# Allegro board 8880F5-0827_txbegin.brd (continued)
## Placement (name value [footprint] x y rotation side) (continued)
NOREF#1909  -  []  456.08 239.34 0 top
NOREF#1910  -  []  112.41 222.33 0 top
NOREF#1911  -  []  253.33 241.33 90 top
NOREF#1912  -  []  165.8 171.96 0 top
NOREF#1913  -  []  229.51 189.2 0 top
NOREF#1914  -  []  184.89 186.02 90 top
NOREF#1915  -  []  300.11 273.24 90 top
NOREF#1916  -  []  300.01 288.41 90 top
NOREF#1917  -  []  105.58 234.24 90 top
NOREF#1918  -  []  272.55 241.37 0 top
NOREF#1919  -  []  378.33 257.11 90 top
NOREF#1920  -  []  317.57 269.63 90 top
NOREF#1921  -  []  249.6 224.74 90 top
NOREF#1922  -  []  184.47 214 90 top
NOREF#1923  -  []  230.43 183.09 90 top
NOREF#1924  -  []  201.23 227.72 0 top
NOREF#1925  -  []  201.23 200.54 0 top
NOREF#1926  -  []  236.27 289.16 90 top
NOREF#1927  -  []  262.36 296.86 0 top
NOREF#1928  -  []  463.61 222.58 0 top
NOREF#1929  -  []  411.99 178.25 90 top
NOREF#1930  -  []  182.82 162.12 90 top
NOREF#1931  -  []  404.4 273.16 90 top
NOREF#1932  -  []  119.95 222.33 0 top
NOREF#1933  -  []  404.15 257.37 0 top
NOREF#1934  -  []  210.86 214.75 90 top
NOREF#1935  -  []  352.24 242.32 90 top
NOREF#1936  -  []  310.41 248.88 90 top
NOREF#1937  -  []  346.27 135.17 90 top
NOREF#1938  -  []  188.08 291.65 90 top
NOREF#1939  -  []  269.69 135.19 0 top
NOREF#1940  -  []  473.79 191.06 90 top
NOREF#1941  -  []  250.49 163.52 90 top
NOREF#1942  -  []  250.18 242.88 0 top
NOREF#1943  -  []  182.57 199.39 0 top
NOREF#1944  -  []  167.7 192.32 90 top
NOREF#1945  -  []  342.04 164.72 0 top
NOREF#1946  -  []  166.06 243.9 90 top
NOREF#1947  -  []  238.45 257.01 0 top
NOREF#1948  -  []  248.33 247.93 0 top
NOREF#1949  -  []  115.61 211.51 90 top
NOREF#1950  -  []  369.38 241.11 0 top
NOREF#1951  -  []  172.08 289.11 90 top
NOREF#1952  -  []  459.28 192.71 90 top
NOREF#1953  -  []  235.4 289.88 90 top
NOREF#1954  -  []  165.8 226.57 0 top
NOREF#1955  -  []  201.21 292.55 90 top
NOREF#1956  -  []  383.09 241.11 0 top
NOREF#1957  -  []  199.59 145.03 0 top
NOREF#1958  -  []  237.57 269.63 90 top
NOREF#1959  -  []  409.49 163.64 0 top
NOREF#1960  -  []  299.81 213.69 90 top
NOREF#1961  -  []  339.33 265.55 0 top
NOREF#1962  -  []  318.3 223.52 90 top
NOREF#1963  -  []  331.62 265.55 0 top
NOREF#1964  -  []  105.83 190.55 90 top
NOREF#1965  -  []  192.47 257.6 90 top
NOREF#1966  -  []  310.73 253.69 0 top
NOREF#1967  -  []  263.63 163.82 90 top
NOREF#1968  -  []  226.85 271.67 0 top
NOREF#1969  -  []  460.93 210.36 90 top
NOREF#1970  -  []  314.19 145.5 90 top
NOREF#1971  -  []  167.7 151.68 90 top
NOREF#1972  -  []  238.3 163.52 90 top
NOREF#1973  -  []  199.59 171.96 90 top
NOREF#1974  -  []  175.7 135.17 90 top
NOREF#1975  -  []  261.82 290.13 90 top
NOREF#1976  -  []  410.27 257.37 0 top
NOREF#1977  -  []  248.21 132.69 90 top
NOREF#1978  -  []  258.2 246.67 0 top
NOREF#1979  -  []  112.67 178.64 0 top
NOREF#1980  -  []  333.4 265.56 0 top
NOREF#1981  -  []  128.24 171.1 0 top
NOREF#1982  -  []  305.83 264.31 0 top
NOREF#1983  -  []  415.1 163.64 0 top
NOREF#1984  -  []  112.05 246.78 90 top
NOREF#1985  -  []  390.94 224.9 90 top
NOREF#1986  -  []  201.23 186.57 90 top
NOREF#1987  -  []  371.73 273.11 0 top
NOREF#1988  -  []  237.83 197.63 0 top
NOREF#1989  -  []  230.43 248.88 90 top
NOREF#1990  -  []  302.11 252.14 0 top
NOREF#1991  -  []  404.15 225.11 0 top
NOREF#1992  -  []  330.73 265.56 0 top
NOREF#1993  -  []  262.36 165.04 90 top
NOREF#1994  -  []  312.21 131.64 0 top
NOREF#1995  -  []  339.33 265.56 0 top
NOREF#1996  -  []  287.27 286.96 90 top
NOREF#1997  -  []  385.19 232.85 0 top
NOREF#1998  -  []  201.49 174.46 90 top
NOREF#1999  -  []  485.36 292.02 90 top
NOREF#2000  -  []  327.15 286.96 90 top
NOREF#2001  -  []  328.33 187.93 0 top
NOREF#2002  -  []  270.04 280.1 0 top
NOREF#2003  -  []  192.47 202.99 90 top
NOREF#2004  -  []  184.47 145.93 90 top
NOREF#2005  -  []  314.33 228.13 90 top
NOREF#2006  -  []  406.65 239.21 90 top
NOREF#2007  -  []  218.16 177.06 0 top
NOREF#2008  -  []  230.41 193.37 90 top
NOREF#2009  -  []  201.49 151.93 90 top
NOREF#2010  -  []  167.7 247.18 90 top
NOREF#2011  -  []  376.98 224.6 0 top
NOREF#2012  -  []  175.8 147.18 90 top
NOREF#2013  -  []  392.24 196.98 90 top
NOREF#2014  -  []  251.06 163.82 90 top
NOREF#2015  -  []  230.43 183.09 0 top
NOREF#2016  -  []  396.55 225.11 0 top
NOREF#2017  -  []  459.28 183.57 0 top
NOREF#2018  -  []  252.51 265.56 0 top
NOREF#2019  -  []  310.73 253.69 0 top
NOREF#2020  -  []  247.57 264.65 90 top
NOREF#2021  -  []  393.19 222.95 90 top
NOREF#2022  -  []  405.93 272.66 90 top
NOREF#2023  -  []  468.01 179.15 0 top
NOREF#2024  -  []  378.75 240.56 90 top
NOREF#2025  -  []  331.06 223.82 90 top
NOREF#2026  -  []  165.8 158.5 0 top
NOREF#2027  -  []  182.82 243.9 90 top
NOREF#2028  -  []  232.25 211.67 90 top
NOREF#2029  -  []  402.14 146.88 0 top
NOREF#2030  -  []  331.54 252.73 90 top
NOREF#2031  -  []  460.93 191.31 90 top
NOREF#2032  -  []  459.28 192.71 0 top
NOREF#2033  -  []  383.09 289.12 0 top
NOREF#2034  -  []  199.84 162.12 90 top
NOREF#2035  -  []  230.43 248.88 90 top
NOREF#2036  -  []  397.8 146.43 90 top
NOREF#2037  -  []  399.67 131.89 0 top
NOREF#2038  -  []  331.06 225.04 90 top
NOREF#2039  -  []  461.86 187.32 0 top
NOREF#2040  -  []  313.94 286.96 90 top
NOREF#2041  -  []  398.65 241.11 0 top
NOREF#2042  -  []  406.19 188.15 0 top
NOREF#2043  -  []  230.43 249.52 0 top
NOREF#2044  -  []  415.1 163.64 0 top
NOREF#2045  -  []  384.36 131.89 0 top
NOREF#2046  -  []  175.7 150.58 90 top
NOREF#2047  -  []  460.93 166.93 90 top
NOREF#2048  -  []  407.71 217.61 0 top
NOREF#2049  -  []  388.43 146.88 0 top
NOREF#2050  -  []  342.68 164.74 90 top
NOREF#2051  -  []  310.41 243.09 90 top
NOREF#2052  -  []  192.47 264.1 90 top
NOREF#2053  -  []  371.73 289.12 0 top
NOREF#2054  -  []  385.19 249.11 0 top
NOREF#2055  -  []  402.14 146.88 0 top
NOREF#2056  -  []  184.47 233.47 90 top
NOREF#2057  -  []  334.29 264.35 90 top
NOREF#2058  -  []  116.01 222.33 0 top
NOREF#2059  -  []  380.59 239.21 0 top
NOREF#2060  -  []  351.34 185.18 0 top
NOREF#2061  -  []  272.25 189.82 0 top
NOREF#2062  -  []  337.9 186.99 0 top
NOREF#2063  -  []  344.37 128.27 90 top
NOREF#2064  -  []  375.22 163.39 0 top
NOREF#2065  -  []  327.57 205.86 90 top
NOREF#2066  -  []  472.86 210.36 90 top
NOREF#2067  -  []  339.33 264.35 90 top
NOREF#2068  -  []  201.23 247.18 90 top
NOREF#2069  -  []  331.38 224.74 90 top
NOREF#2070  -  []  230.43 186.34 90 top
NOREF#2071  -  []  192.47 164.3 90 top
NOREF#2072  -  []  182.57 171.96 90 top
NOREF#2073  -  []  107.02 179.19 0 top
NOREF#2074  -  []  310.43 247.61 90 top
NOREF#2075  -  []  375.22 180.15 0 top
NOREF#2076  -  []  528.1 257.36 90 top
NOREF#2077  -  []  330.49 223.52 90 top
NOREF#2078  -  []  383.83 194.68 90 top
NOREF#2079  -  []  165.8 212.85 0 top
NOREF#2080  -  []  182.57 158.5 90 top
NOREF#2081  -  []  248.96 224.74 0 top
NOREF#2082  -  []  300.36 237.06 0 top
NOREF#2083  -  []  396.55 257.37 0 top
NOREF#2084  -  []  263.31 164.72 0 top
NOREF#2085  -  []  247.25 265.56 90 top
NOREF#2086  -  []  396.55 225.11 0 top
NOREF#2087  -  []  217.83 234.63 90 top
NOREF#2088  -  []  351.04 184.23 0 top
NOREF#2089  -  []  477.24 195.66 0 top
NOREF#2090  -  []  400.34 194.68 90 top
NOREF#2091  -  []  396.03 146.88 0 top
NOREF#2092  -  []  414.25 154.88 0 top
NOREF#2093  -  []  352.24 189.18 90 top
NOREF#2094  -  []  327.25 265.56 90 top
NOREF#2095  -  []  415.61 179.97 90 top
NOREF#2096  -  []  331.05 265.86 90 top
NOREF#2097  -  []  401.89 180.15 0 top
NOREF#2098  -  []  108.01 195.15 0 top
NOREF#2099  -  []  329.6 223.52 90 top
NOREF#2100  -  []  298.13 214.06 90 top
NOREF#2101  -  []  252.6 288.86 0 top
NOREF#2102  -  []  453.88 214.96 0 top
NOREF#2103  -  []  96.58 195.15 0 top
NOREF#2104  -  []  327.25 205.55 0 top
NOREF#2105  -  []  272.25 185.5 0 top
NOREF#2106  -  []  310.73 247.93 0 top
NOREF#2107  -  []  371.48 265.11 0 top
NOREF#2108  -  []  289.01 272.1 0 top
NOREF#2109  -  []  192.47 250.38 90 top
NOREF#2110  -  []  352.25 244.23 0 top
NOREF#2111  -  []  167.7 214 0 top
NOREF#2112  -  []  268.01 296.86 0 top
NOREF#2113  -  []  343.95 163.52 90 top
NOREF#2114  -  []  511.59 257.36 90 top
NOREF#2115  -  []  165.8 131.57 90 top
NOREF#2116  -  []  254.8 296.86 0 top
NOREF#2117  -  []  253.72 204.65 90 top
NOREF#2118  -  []  108.27 178.64 0 top
NOREF#2119  -  []  420.62 271.47 90 top
NOREF#2120  -  []  310.41 246.34 90 top
NOREF#2121  -  []  346.08 296.86 0 top
NOREF#2122  -  []  107.02 174.04 90 top
NOREF#2123  -  []  330.49 224.74 90 top
NOREF#2124  -  []  112.67 171.02 0 top
NOREF#2125  -  []  310.43 247.61 0 top
NOREF#2126  -  []  392.47 272.56 90 top
NOREF#2127  -  []  127.55 184.33 90 top
NOREF#2128  -  []  331.38 223.52 90 top
NOREF#2129  -  []  223.56 173.86 90 top
NOREF#2130  -  []  390.53 146.88 0 top
NOREF#2131  -  []  226.44 294.64 90 top
NOREF#2132  -  []  167.7 173.11 90 top
NOREF#2133  -  []  419.9 154.88 0 top
NOREF#2134  -  []  184.89 159.1 90 top
NOREF#2135  -  []  230.73 246.66 0 top
NOREF#2136  -  []  334.29 205.56 0 top
NOREF#2137  -  []  101.29 247.16 90 top
NOREF#2138  -  []  309.21 253.37 0 top
NOREF#2139  -  []  247.89 264.35 90 top
NOREF#2140  -  []  397.8 163.19 90 top
NOREF#2141  -  []  250.5 288.86 0 top
NOREF#2142  -  []  418.37 273.42 90 top
NOREF#2143  -  []  306.83 209.63 90 top
NOREF#2144  -  []  166.06 162.12 90 top
NOREF#2145  -  []  230.43 193.37 90 top
NOREF#2146  -  []  272.24 181.05 90 top
NOREF#2147  -  []  351.04 249.18 0 top
NOREF#2148  -  []  221.56 250.49 0 top
NOREF#2149  -  []  321.82 227.13 90 top
NOREF#2150  -  []  320.83 194.63 0 top
NOREF#2151  -  []  383.09 241.11 0 top
NOREF#2152  -  []  381.2 226.12 90 top
NOREF#2153  -  []  272.24 249.18 90 top
NOREF#2154  -  []  343.95 164.74 90 top
NOREF#2155  -  []  366.88 239.21 0 top
NOREF#2156  -  []  237.98 163.82 90 top
NOREF#2157  -  []  119.99 214.79 0 top
NOREF#2158  -  []  351.04 189.18 0 top
NOREF#2159  -  []  459.28 168.33 90 top
NOREF#2160  -  []  327.25 205.55 0 top
NOREF#2161  -  []  351.83 288.91 90 top
NOREF#2162  -  []  175.7 164.3 90 top
NOREF#2163  -  []  167.7 260.9 90 top
NOREF#2164  -  []  184.47 178.86 90 top
NOREF#2165  -  []  419.64 256.82 90 top
NOREF#2166  -  []  209.23 246.08 90 top
NOREF#2167  -  []  257.9 186.99 0 top
NOREF#2168  -  []  330.17 165.04 90 top
NOREF#2169  -  []  379.52 171.39 0 top
NOREF#2170  -  []  115.36 235.64 0 top
NOREF#2171  -  []  390.69 289.12 0 top
NOREF#2172  -  []  295.96 248.49 0 top
NOREF#2173  -  []  199.59 145.03 90 top
NOREF#2174  -  []  230.43 247.61 90 top
NOREF#2175  -  []  352.24 243.59 90 top
NOREF#2176  -  []  343.63 165.04 90 top
NOREF#2177  -  []  317.83 197.63 0 top
NOREF#2178  -  []  409.74 163.69 90 top
NOREF#2179  -  []  378.75 256.66 90 top
NOREF#2180  -  []  93.76 271.33 90 top
NOREF#2181  -  []  250.73 265.55 0 top
NOREF#2182  -  []  209.23 236.67 90 top
NOREF#2183  -  []  167.7 241.43 90 top
NOREF#2184  -  []  184.47 192.32 90 top
NOREF#2185  -  []  369.38 257.11 0 top
NOREF#2186  -  []  337.09 223.52 90 top
NOREF#2187  -  []  121.9 238.84 0 top
NOREF#2188  -  []  418.63 131.94 90 top
NOREF#2189  -  []  251.33 140.14 0 top
NOREF#2190  -  []  253.53 140.14 0 top
NOREF#2191  -  []  285.71 280.1 0 top
NOREF#2192  -  []  381.74 281.11 0 top
NOREF#2193  -  []  253.4 205.56 90 top
NOREF#2194  -  []  400.85 297.12 0 top
NOREF#2195  -  []  340.83 174.63 90 top
NOREF#2196  -  []  461.96 210.36 0 top
NOREF#2197  -  []  256.77 163.82 90 top
NOREF#2198  -  []  341.48 286.96 0 top
NOREF#2199  -  []  369.38 257.11 0 top
NOREF#2200  -  []  392.47 256.56 90 top
NOREF#2201  -  []  272.8 145.48 90 top
NOREF#2202  -  []  249.6 223.52 90 top
NOREF#2203  -  []  412.62 273.37 0 top
NOREF#2204  -  []  286.55 288.31 90 top
NOREF#2205  -  []  66.26 273.87 90 top
NOREF#2206  -  []  262.68 223.52 90 top
NOREF#2207  -  []  247.25 265.55 0 top
NOREF#2208  -  []  259.88 288.41 90 top
NOREF#2209  -  []  175.7 236.67 90 top
NOREF#2210  -  []  215.96 188.49 0 top
NOREF#2211  -  []  185.2 290.01 90 top
NOREF#2212  -  []  259.65 264.65 90 top
NOREF#2213  -  []  127.3 228.02 90 top
NOREF#2214  -  []  411.52 146.33 90 top
NOREF#2215  -  []  334.29 265.56 0 top
NOREF#2216  -  []  237.2 296.61 0 top
NOREF#2217  -  []  168.13 186.02 90 top
NOREF#2218  -  []  388.66 139.89 0 top
NOREF#2219  -  []  511.59 276.41 90 top
NOREF#2220  -  []  271.04 185.5 0 top
NOREF#2221  -  []  101.82 271.33 90 top
NOREF#2222  -  []  332.51 204.35 90 top
NOREF#2223  -  []  103.93 235.64 90 top
NOREF#2224  -  []  106.18 160.58 90 top
NOREF#2225  -  []  305.94 296.86 0 top
NOREF#2226  -  []  271.34 242.64 0 top
NOREF#2227  -  []  313.98 131.19 90 top
NOREF#2228  -  []  167.7 219.75 90 top
NOREF#2229  -  []  251.05 204.65 90 top
NOREF#2230  -  []  354.08 286.96 90 top
NOREF#2231  -  []  317.66 164.74 0 top
NOREF#2232  -  []  330.73 205.55 0 top
NOREF#2233  -  []  201.49 173.11 90 top
NOREF#2234  -  []  390.94 241.16 90 top
NOREF#2235  -  []  346.27 129.42 0 top
NOREF#2236  -  []  352.25 249.82 0 top
NOREF#2237  -  []  75.98 290.38 90 top
NOREF#2238  -  []  310.43 246.34 0 top
NOREF#2239  -  []  299.81 273.69 90 top
NOREF#2240  -  []  201.23 241.43 90 top
NOREF#2241  -  []  300.36 248.49 0 top
NOREF#2242  -  []  273.09 288.41 90 top
NOREF#2243  -  []  312.79 288.86 90 top
NOREF#2244  -  []  298.16 188.49 0 top
NOREF#2245  -  []  376.23 209.11 0 top
NOREF#2246  -  []  456.08 230.2 0 top
NOREF#2247  -  []  167.7 214 90 top
NOREF#2248  -  []  463.11 186.77 0 top
NOREF#2249  -  []  192.47 236.67 90 top
NOREF#2250  -  []  410.52 289.12 0 top
NOREF#2251  -  []  334.61 264.65 90 top
NOREF#2252  -  []  461.96 217.98 0 top
NOREF#2253  -  []  399.07 208.91 90 top
NOREF#2254  -  []  184.47 192.32 90 top
NOREF#2255  -  []  450.03 225.6 0 top
NOREF#2256  -  []  220.36 237.06 0 top
NOREF#2257  -  []  303.56 185.29 90 top
NOREF#2258  -  []  310.43 183.09 90 top
NOREF#2259  -  []  104.18 191.95 90 top
NOREF#2260  -  []  382.47 133.16 90 top
NOREF#2261  -  []  264.72 272.65 90 top
NOREF#2262  -  []  328.42 129.74 90 top
NOREF#2263  -  []  463.11 186.77 0 top
NOREF#2264  -  []  272.25 241.05 90 top
NOREF#2265  -  []  167.7 192.32 90 top
NOREF#2266  -  []  373.68 232.6 0 top
NOREF#2267  -  []  419.4 171.64 0 top
NOREF#2268  -  []  332.51 205.55 0 top
NOREF#2269  -  []  456.08 214.96 0 top
NOREF#2270  -  []  229.51 243.41 0 top
NOREF#2271  -  []  451.68 239.34 0 top
NOREF#2272  -  []  389.7 209.36 0 top
NOREF#2273  -  []  373.32 164.66 90 top
NOREF#2274  -  []  404.24 154.88 0 top
NOREF#2275  -  []  424.47 163.09 90 top
NOREF#2276  -  []  266.49 143.19 0 top
NOREF#2277  -  []  383.07 163.44 90 top
NOREF#2278  -  []  192.47 218.65 90 top
NOREF#2279  -  []  230.73 189.2 0 top
NOREF#2280  -  []  392.21 131.94 90 top
NOREF#2281  -  []  456.08 186.77 0 top
NOREF#2282  -  []  377.32 171.39 0 top
NOREF#2283  -  []  354.27 131.87 90 top
NOREF#2284  -  []  272.25 181.05 90 top
NOREF#2285  -  []  106.76 222.88 0 top
NOREF#2286  -  []  298.13 274.06 0 top
NOREF#2287  -  []  351.34 189.5 0 top
NOREF#2288  -  []  375.73 196.98 90 top
NOREF#2289  -  []  332.61 296.86 0 top
NOREF#2290  -  []  94.68 234.24 0 top
NOREF#2291  -  []  405.93 256.82 90 top
NOREF#2292  -  []  167.7 147.28 90 top
NOREF#2293  -  []  399.99 164.91 90 top
NOREF#2294  -  []  184.47 159.65 90 top
NOREF#2295  -  []  384.59 162.84 90 top
NOREF#2296  -  []  182.57 185.42 0 top
NOREF#2297  -  []  383.09 224.85 0 top
NOREF#2298  -  []  247.57 265.86 90 top
NOREF#2299  -  []  423.45 146.93 90 top
NOREF#2300  -  []  319.33 176.03 0 top
NOREF#2301  -  []  252.51 265.56 90 top
NOREF#2302  -  []  330.73 204.35 90 top
NOREF#2303  -  []  175.7 257.6 90 top
NOREF#2304  -  []  201.23 219.75 90 top
NOREF#2305  -  []  259.45 288.86 90 top
NOREF#2306  -  []  309.21 248.88 0 top
NOREF#2307  -  []  271.04 181.69 0 top
NOREF#2308  -  []  254.29 205.56 90 top
NOREF#2309  -  []  108.27 178.64 0 top
NOREF#2310  -  []  336.77 225.04 90 top
NOREF#2311  -  []  465.81 171.53 0 top
NOREF#2312  -  []  199.59 189.04 90 top
NOREF#2313  -  []  272.25 243.59 90 top
NOREF#2314  -  []  449.99 174.46 0 top
NOREF#2315  -  []  201.49 165.4 90 top
NOREF#2316  -  []  261.63 255.43 90 top
NOREF#2317  -  []  199.08 254 0 top
NOREF#2318  -  []  303.84 288.86 0 top
NOREF#2319  -  []  223.15 211.32 90 top
NOREF#2320  -  []  317.05 288.86 0 top
NOREF#2321  -  []  192.47 222.95 90 top
NOREF#2322  -  []  201.66 227.17 90 top
NOREF#2323  -  []  168.69 273.5 90 top
NOREF#2324  -  []  394.66 258.64 90 top
NOREF#2325  -  []  400.85 233.11 0 top
NOREF#2326  -  []  319.33 183.63 90 top
NOREF#2327  -  []  175.7 250.38 90 top
NOREF#2328  -  []  224.65 211.67 0 top
NOREF#2329  -  []  184.47 149.48 90 top
NOREF#2330  -  []  369.63 289.12 0 top
NOREF#2331  -  []  409.49 180.15 0 top
NOREF#2332  -  []  327.25 265.56 0 top
NOREF#2333  -  []  201.23 241.43 0 top
NOREF#2334  -  []  118.33 289.48 90 top
NOREF#2335  -  []  376.15 192.88 90 top
NOREF#2336  -  []  184.47 201.89 90 top
NOREF#2337  -  []  249.28 163.82 90 top
NOREF#2338  -  []  279.7 155.38 0 top
NOREF#2339  -  []  414.82 249.11 0 top
NOREF#2340  -  []  251.06 225.04 90 top
NOREF#2341  -  []  165.8 199.39 0 top
NOREF#2342  -  []  247.78 132.14 90 top
NOREF#2343  -  []  410.78 131.89 0 top
NOREF#2344  -  []  36.1 129.71 90 top
NOREF#2345  -  []  232.25 271.67 90 top
NOREF#2346  -  []  263.71 288.86 0 top
NOREF#2347  -  []  106.76 210.11 90 top
NOREF#2348  -  []  275.12 271.65 90 top
NOREF#2349  -  []  451.68 230.2 0 top
NOREF#2350  -  []  459.24 175.86 0 top
NOREF#2351  -  []  184.47 214 0 top
NOREF#2352  -  []  167.7 200.54 90 top
NOREF#2353  -  []  230.73 193.69 0 top
NOREF#2354  -  []  167.7 260.9 90 top
NOREF#2355  -  []  479.44 239.09 0 top
NOREF#2356  -  []  120.24 171.1 0 top
NOREF#2357  -  []  246.23 173.13 0 top
NOREF#2358  -  []  94.68 234.24 0 top
NOREF#2359  -  []  201.49 178.86 90 top
NOREF#2360  -  []  184.47 165.4 90 top
NOREF#2361  -  []  330.51 288.86 0 top
NOREF#2362  -  []  310.73 189.2 0 top
NOREF#2363  -  []  201.91 172.56 90 top
NOREF#2364  -  []  463.61 171.53 0 top
NOREF#2365  -  []  260.83 174.63 90 top
NOREF#2366  -  []  309.51 247.93 0 top
NOREF#2367  -  []  199.33 185.42 0 top
NOREF#2368  -  []  182.57 226.57 0 top
NOREF#2369  -  []  177.33 201.29 90 top
NOREF#2370  -  []  201.49 176.66 90 top
NOREF#2371  -  []  478.57 293.82 90 top
NOREF#2372  -  []  259.33 265.55 0 top
NOREF#2373  -  []  124.1 231.22 0 top
NOREF#2374  -  []  300.01 288.31 90 top
NOREF#2375  -  []  239.33 176.03 90 top
NOREF#2376  -  []  270.04 135.24 90 top
NOREF#2377  -  []  167.7 242.78 90 top
NOREF#2378  -  []  385.19 257.11 0 top
NOREF#2379  -  []  352.25 241.69 0 top
NOREF#2380  -  []  104.18 191.95 0 top
NOREF#2381  -  []  321.82 167.13 90 top
NOREF#2382  -  []  386.53 148.15 90 top
NOREF#2383  -  []  409.17 297.12 0 top
NOREF#2384  -  []  230.41 253.37 90 top
NOREF#2385  -  []  310.43 188.88 90 top
NOREF#2386  -  []  412.36 209.61 90 top
NOREF#2387  -  []  468.85 259.9 90 top
NOREF#2388  -  []  290.64 288.86 0 top
NOREF#2389  -  []  287.91 280.1 0 top
NOREF#2390  -  []  413.1 144.98 0 top
NOREF#2391  -  []  175.8 160.9 90 top
NOREF#2392  -  []  175.7 216.45 90 top
NOREF#2393  -  []  376.23 209.11 0 top
NOREF#2394  -  []  327.57 204.65 90 top
NOREF#2395  -  []  546.67 300.44 90 top
NOREF#2396  -  []  310.43 186.34 90 top
NOREF#2397  -  []  167.7 174.46 90 top
NOREF#2398  -  []  400.25 148.15 90 top
NOREF#2399  -  []  209.33 228.97 90 top
NOREF#2400  -  []  369.63 273.11 0 top
NOREF#2401  -  []  284.36 272.1 90 top
NOREF#2402  -  []  285.02 288.91 90 top
NOREF#2403  -  []  209.49 155.13 90 top
NOREF#2404  -  []  239.33 236.03 90 top
NOREF#2405  -  []  284.77 146.93 90 top
NOREF#2406  -  []  250.17 223.82 90 top
NOREF#2407  -  []  400.85 281.11 0 top
NOREF#2408  -  []  296.81 275.94 0 top
NOREF#2409  -  []  272.55 183.91 0 top
NOREF#2410  -  []  75.98 273.87 90 top
NOREF#2411  -  []  118.7 190.55 90 top
NOREF#2412  -  []  418.12 289.12 0 top
NOREF#2413  -  []  168.13 213.45 90 top
NOREF#2414  -  []  252.83 265.86 90 top
NOREF#2415  -  []  265.81 296.86 0 top
NOREF#2416  -  []  184.47 174.46 90 top
NOREF#2417  -  []  417.2 171.64 0 top
NOREF#2418  -  []  398.65 273.11 0 top
NOREF#2419  -  []  330.74 224.74 0 top
NOREF#2420  -  []  165.8 212.85 90 top
NOREF#2421  -  []  405.5 257.37 90 top
NOREF#2422  -  []  209.49 148.63 90 top
NOREF#2423  -  []  386.53 181.42 90 top
NOREF#2424  -  []  116.27 171.02 0 top
NOREF#2425  -  []  182.82 257.62 90 top
NOREF#2426  -  []  320.94 151.63 90 top
NOREF#2427  -  []  420.88 129.99 90 top
NOREF#2428  -  []  250.17 225.04 90 top
NOREF#2429  -  []  468.01 171.53 0 top
NOREF#2430  -  []  264.29 280.1 0 top
NOREF#2431  -  []  199.33 226.57 0 top
NOREF#2432  -  []  341.63 255.43 90 top
NOREF#2433  -  []  165.8 254 90 top
NOREF#2434  -  []  371.48 232.6 0 top
NOREF#2435  -  []  272.25 182.32 90 top
NOREF#2436  -  []  304.82 146.05 0 top
NOREF#2437  -  []  272.55 245.18 0 top
NOREF#2438  -  []  167.7 165.4 90 top
NOREF#2439  -  []  404.4 241.16 90 top
NOREF#2440  -  []  398.65 233.11 0 top
NOREF#2441  -  []  272.25 244.86 90 top
NOREF#2442  -  []  168.13 132.17 90 top
NOREF#2443  -  []  184.89 172.56 90 top
NOREF#2444  -  []  329.28 165.04 90 top
NOREF#2445  -  []  381.2 242.38 90 top
NOREF#2446  -  []  385.32 161.49 90 top
NOREF#2447  -  []  320.42 139.64 0 top
NOREF#2448  -  []  393.31 131.89 90 top
NOREF#2449  -  []  201.49 161 90 top
NOREF#2450  -  []  127.95 195.15 0 top
NOREF#2451  -  []  167.7 161 90 top
NOREF#2452  -  []  331.94 204.65 90 top
NOREF#2453  -  []  259.65 205.86 90 top
NOREF#2454  -  []  417.87 257.37 0 top
NOREF#2455  -  []  316.97 139.64 0 top
NOREF#2456  -  []  253.4 205.56 0 top
NOREF#2457  -  []  247.25 265.55 0 top
NOREF#2458  -  []  184.47 233.47 90 top
NOREF#2459  -  []  167.7 201.89 90 top
NOREF#2460  -  []  310.73 243.41 0 top
NOREF#2461  -  []  311.69 288.91 90 top
NOREF#2462  -  []  226.83 269.63 90 top
NOREF#2463  -  []  310.41 183.09 90 top
NOREF#2464  -  []  339.65 204.65 90 top
NOREF#2465  -  []  343.63 223.82 90 top
NOREF#2466  -  []  461.96 174.55 0 top
NOREF#2467  -  []  352.55 189.5 0 top
NOREF#2468  -  []  331.86 192.43 90 top
NOREF#2469  -  []  381.74 265.11 0 top
NOREF#2470  -  []  184.47 173.11 90 top
NOREF#2471  -  []  271.34 189.5 0 top
NOREF#2472  -  []  448.94 292.92 90 top
NOREF#2473  -  []  217.71 216.09 0 top
NOREF#2474  -  []  471.59 130.36 90 top
NOREF#2475  -  []  375.73 194.78 90 top
NOREF#2476  -  []  185.2 292.55 90 top
NOREF#2477  -  []  242.23 173.13 0 top
NOREF#2478  -  []  252.51 205.56 90 top
NOREF#2479  -  []  406.65 271.21 90 top
NOREF#2480  -  []  192.47 168.6 90 top
NOREF#2481  -  []  385.19 289.12 0 top
NOREF#2482  -  []  396.22 139.89 0 top
NOREF#2483  -  []  184.89 240.88 90 top
NOREF#2484  -  []  250.49 223.52 90 top
NOREF#2485  -  []  218.13 214.06 0 top
NOREF#2486  -  []  495.08 274.77 90 top
NOREF#2487  -  []  208.98 259.8 90 top
NOREF#2488  -  []  272.24 183.59 90 top
NOREF#2489  -  []  184.47 255.15 0 top
NOREF#2490  -  []  254.29 205.56 0 top
NOREF#2491  -  []  399.67 139.89 0 top
NOREF#2492  -  []  265.81 288.86 0 top
NOREF#2493  -  []  333.4 205.55 0 top
NOREF#2494  -  []  301.56 242.89 0 top
NOREF#2495  -  []  184.47 219.75 90 top
NOREF#2496  -  []  511.59 273.87 90 top
NOREF#2497  -  []  250.49 224.74 90 top
NOREF#2498  -  []  230.41 186.34 90 top
NOREF#2499  -  []  175.7 148.38 90 top
NOREF#2500  -  []  329.6 164.74 90 top
NOREF#2501  -  []  329.28 163.82 90 top
NOREF#2502  -  []  301.56 239.06 0 top
NOREF#2503  -  []  273.5 148.65 90 top
NOREF#2504  -  []  396.55 289.12 0 top
NOREF#2505  -  []  184.47 200.54 90 top
NOREF#2506  -  []  238.3 223.52 90 top
NOREF#2507  -  []  397.3 209.36 0 top
NOREF#2508  -  []  419.9 288.67 90 top
NOREF#2509  -  []  327.25 264.35 90 top
NOREF#2510  -  []  118.99 171.65 0 top
NOREF#2511  -  []  184.47 255.15 90 top
NOREF#2512  -  []  398.65 281.11 0 top
NOREF#2513  -  []  263.83 171.63 90 top
NOREF#2514  -  []  459.24 219.3 90 top
NOREF#2515  -  []  272.8 157.28 0 top
NOREF#2516  -  []  417.2 163.64 0 top
NOREF#2517  -  []  411.01 209.61 0 top
NOREF#2518  -  []  374.34 210.38 90 top
NOREF#2519  -  []  383.83 209.11 0 top
NOREF#2520  -  []  127.3 235.64 90 top
NOREF#2521  -  []  184.47 247.18 90 top
NOREF#2522  -  []  467.51 186.77 0 top
NOREF#2523  -  []  352.25 189.82 0 top
NOREF#2524  -  []  385.61 208.56 90 top
NOREF#2525  -  []  230.43 193.37 90 top
NOREF#2526  -  []  253.4 264.35 90 top
NOREF#2527  -  []  312.67 146.1 90 top
NOREF#2528  -  []  184.89 213.45 90 top
NOREF#2529  -  []  182.57 144.78 90 top
NOREF#2530  -  []  392.24 194.78 90 top
NOREF#2531  -  []  377.23 241.16 90 top
NOREF#2532  -  []  256.77 165.04 90 top
NOREF#2533  -  []  392.24 199.18 90 top
NOREF#2534  -  []  397.57 131.89 0 top
NOREF#2535  -  []  184.47 217.55 90 top
NOREF#2536  -  []  413.96 182.44 90 top
NOREF#2537  -  []  339.97 204.35 90 top
NOREF#2538  -  []  258.61 131.69 90 top
NOREF#2539  -  []  221.56 231.46 0 top
NOREF#2540  -  []  417.7 146.88 0 top
NOREF#2541  -  []  417.7 154.88 0 top